# Altium PCB STB_LightBoard.PcbDoc (part 27 of 31) (continued)
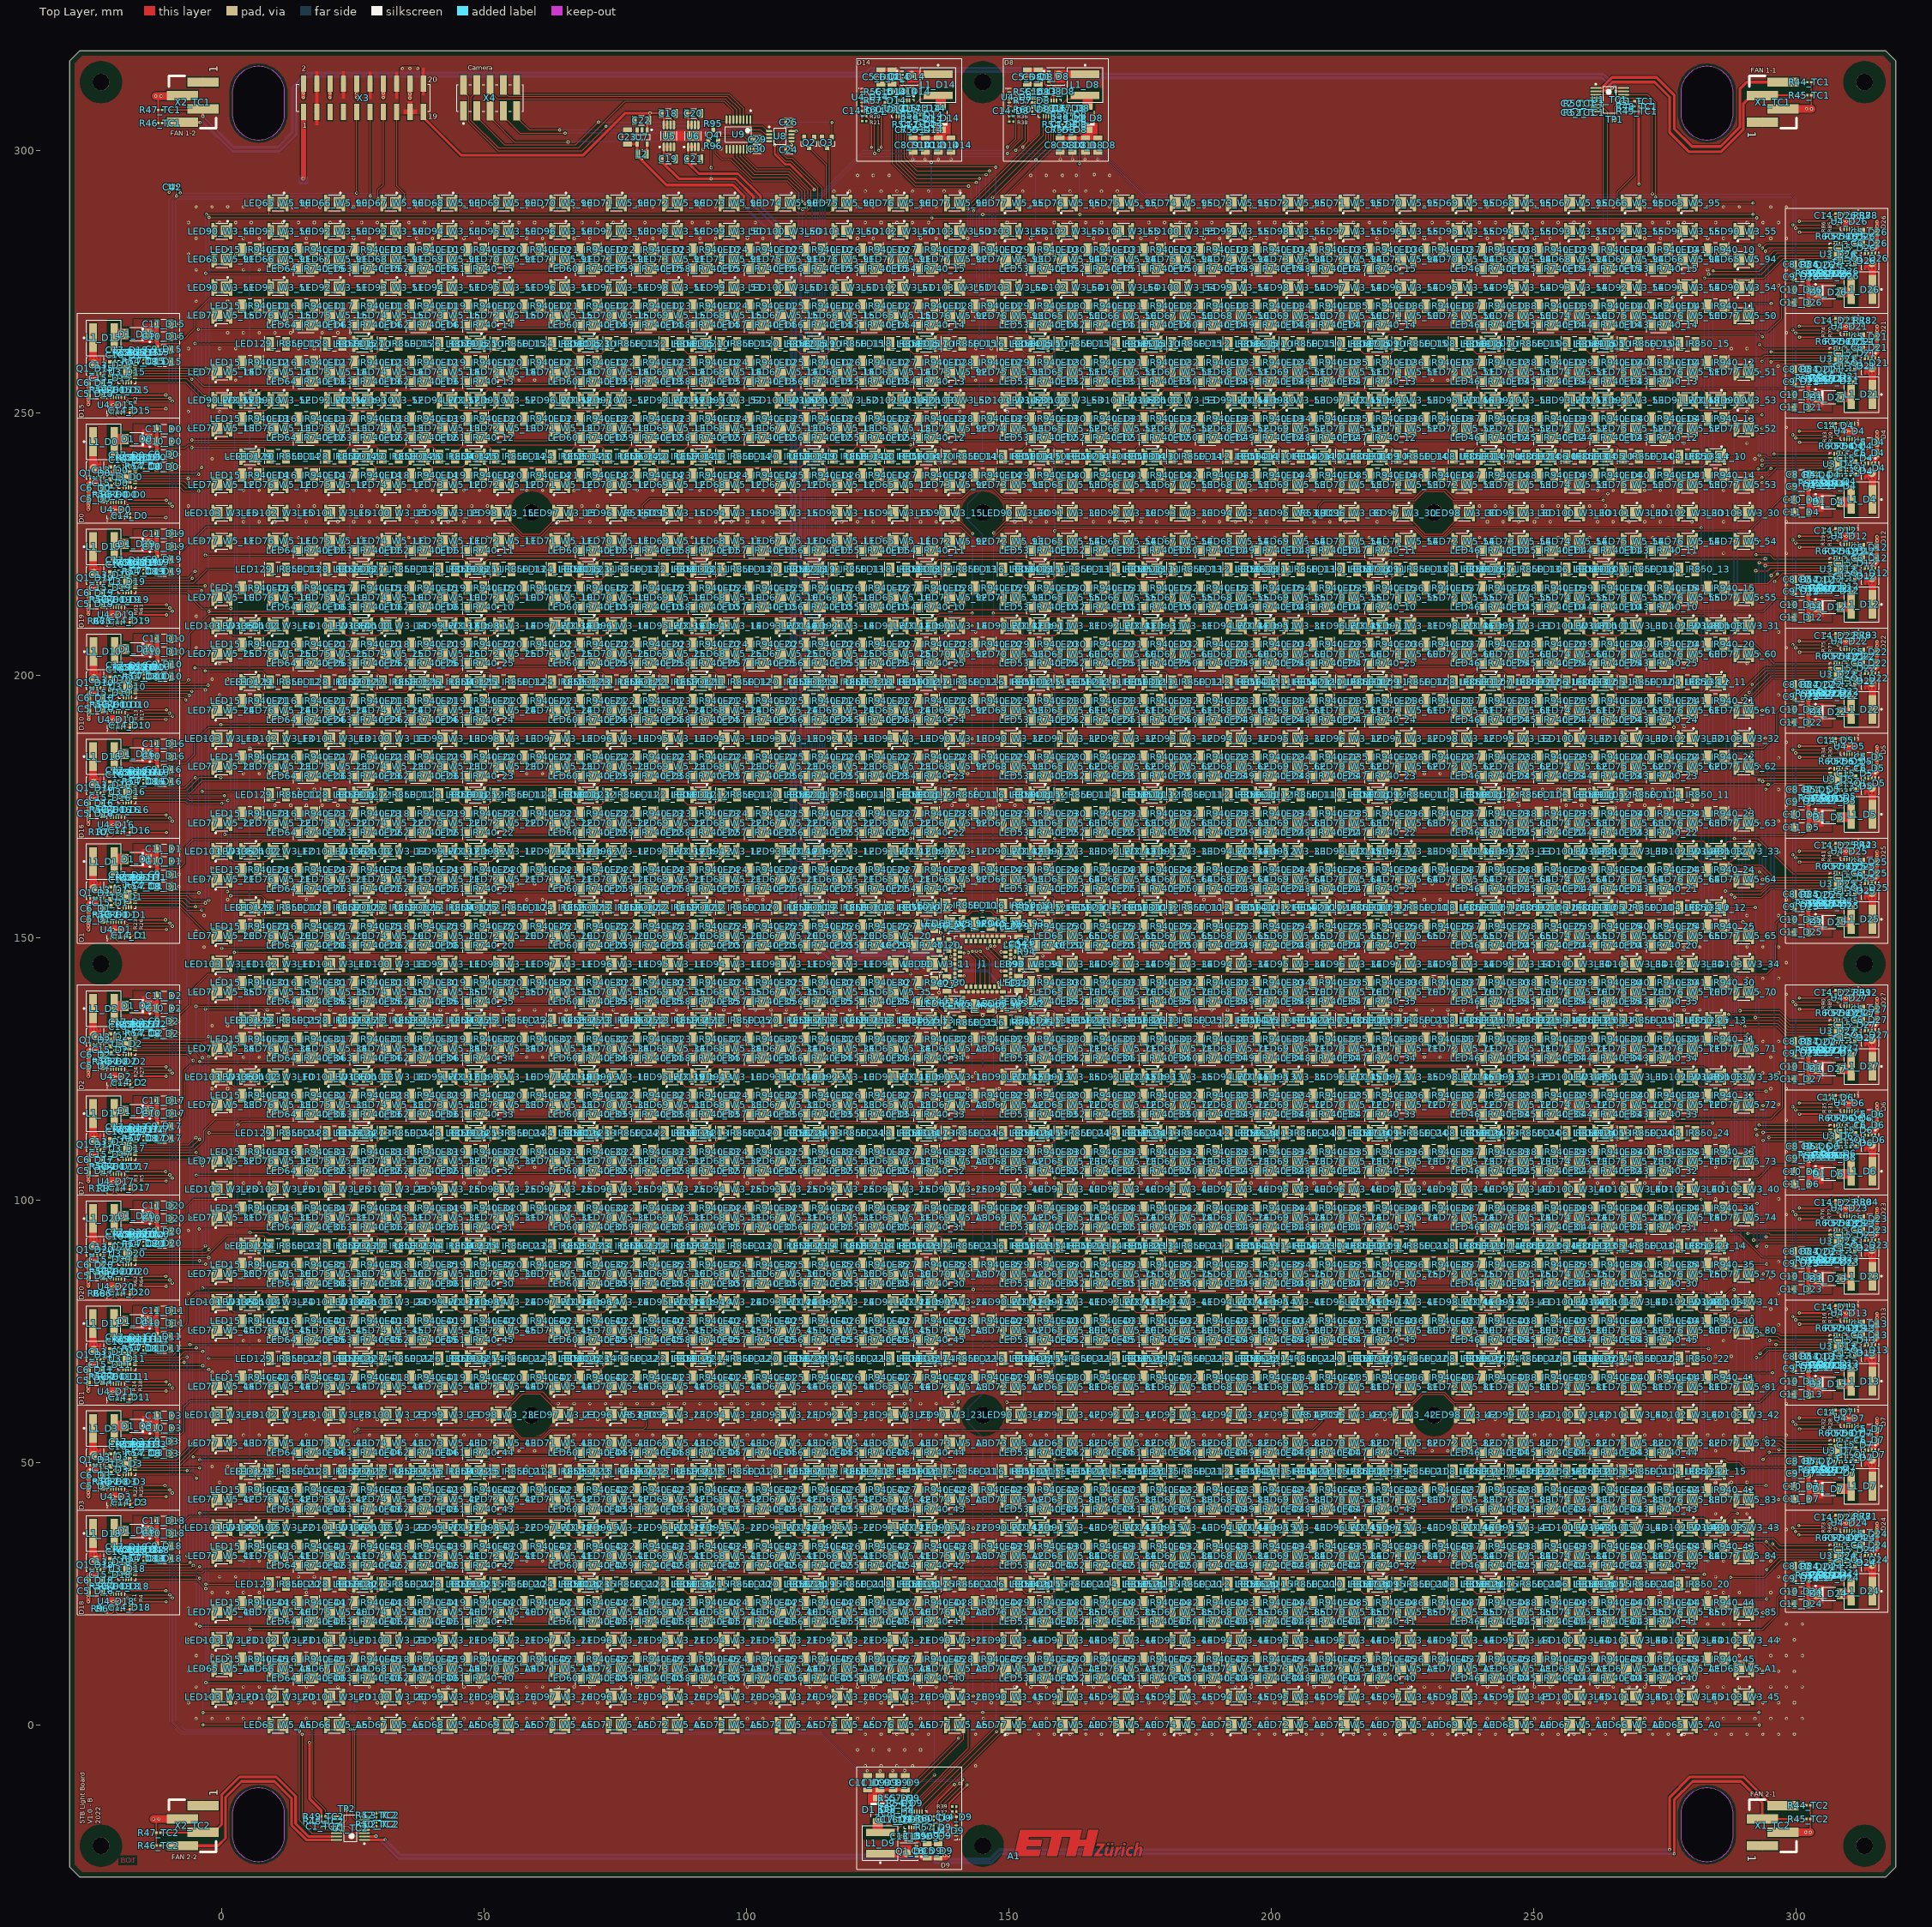
[diagram p0: Top Layer view]
## Nets (pads, with @x,y where several pads share a name; then routed paths per layer and width w, separated by ;. In a path a pad name is that pad's centre, name@x,y a point inside that pad or via, vN(x,y) a via of type N, cw(c..) or ccw(c..) an arc to the next point about the centre after c; other vN are vias at no path point) (continued)
NetLED102_W3_15_1: LED102_W3_15.1 LED103_W3_15.2 | length 8.4
  Top Layer w0.2: LED103_W3_15.2@1.7,230.91 LED102_W3_15.1@9.041,230.91 LED102_W3_15.1@10.106,230.91
NetLED102_W3_20_1: LED102_W3_20.1 LED103_W3_20.2 | length 8.4
  Top Layer w0.2: LED103_W3_20.2@1.7,5.37 LED102_W3_20.1@9.041,5.37 LED102_W3_20.1@10.106,5.37
NetLED102_W3_21_1: LED102_W3_21.1 LED103_W3_21.2 | length 8.4
  Top Layer w0.2: LED103_W3_21.2@1.7,16.11 LED102_W3_21.1@9.041,16.11 LED102_W3_21.1@10.106,16.11
NetLED102_W3_22_1: LED102_W3_22.1 LED103_W3_22.2 | length 9.1
  Top Layer w0.2: LED103_W3_22.2@1.7,36.315 2.295,35.72 8.446,35.72 8.841,36.115 9.041,36.315 LED102_W3_22.1@9.041,37.59
NetLED102_W3_23_1: LED102_W3_23.1 LED103_W3_23.2 | length 8.4
  Top Layer w0.2: LED103_W3_23.2@1.7,59.07 LED102_W3_23.1@9.041,59.07 LED102_W3_23.1@10.106,59.07
NetLED102_W3_24_1: LED102_W3_24.1 LED103_W3_24.2 | length 9.1
  Top Layer w0.2: LED103_W3_24.2@1.7,79.275 2.295,78.68 8.446,78.68 8.841,79.075 9.041,79.275 LED102_W3_24.1@9.041,80.55
NetLED102_W3_25_1: LED102_W3_25.1 LED103_W3_25.2 | length 8.4
  Top Layer w0.2: LED103_W3_25.2@1.7,102.03 LED102_W3_25.1@9.041,102.03 LED102_W3_25.1@10.106,102.03
NetLED102_W3_30_1: LED102_W3_30.1 LED103_W3_30.2 | length 18
  Top Layer w0.2: LED102_W3_30.1@279.693,230.9 280.283,230.9 287.624,230.9 288.689,230.9 280.966,230.9 LED102_W3_30.1@279.693,230.9
NetLED102_W3_31_1: LED102_W3_31.1 LED103_W3_31.2 | length 10.4
  Top Layer w0.2: LED102_W3_31.1@280.966,209.43 280.966,208.155 281.521,207.6 287.752,207.6 288.307,208.155 LED103_W3_31.2@288.307,209.43
NetLED102_W3_32_1: LED102_W3_32.1 LED103_W3_32.2 | length 9
  Top Layer w0.2: LED102_W3_32.1@279.901,187.95 LED102_W3_32.1@280.966,187.95 LED103_W3_32.2@288.307,187.95 LED103_W3_32.2@288.897,187.95
NetLED102_W3_33_1: LED102_W3_33.1 LED103_W3_33.2 | length 10.5
  Top Layer w0.2: LED102_W3_33.1@280.966,166.47 280.966,165.195 281.661,164.5 287.612,164.5 288.307,165.195 LED103_W3_33.2@288.307,166.47
NetLED102_W3_34_1: LED102_W3_34.1 LED103_W3_34.2 | length 16.9
  Top Layer w0.2: LED102_W3_34.1@280.066,144.99 280.656,144.99 287.997,144.99 LED103_W3_34.2@289.062,144.99 ; LED102_W3_34.1@280.966,144.99 LED103_W3_34.2@288.307,144.99 LED103_W3_34.2@288.897,144.99
NetLED102_W3_35_1: LED102_W3_35.1 LED103_W3_35.2 | length 7.8
  Top Layer w0.2: LED102_W3_35.1@280.966,122.235 281.561,121.64 287.712,121.64 288.107,122.035 LED103_W3_35.2@288.307,122.235
NetLED102_W3_40_1: LED102_W3_40.1 LED103_W3_40.2 | length 19.1
  Top Layer w0.2: LED102_W3_40.1@279.266,102.03 279.856,102.03 287.197,102.03 ; LED102_W3_40.1@279.901,102.03 LED102_W3_40.1@280.966,102.03 LED103_W3_40.2@288.307,102.03 ; LED103_W3_40.2@288.262,102.03 287.197,102.03 ; LED103_W3_40.2@288.897,102.03 LED103_W3_40.2@288.307,102.03 ; 287.197,102.03 LED103_W3_40.2@288.307,102.03
NetLED102_W3_41_1: LED102_W3_41.1 LED103_W3_41.2 | length 7.9
  Top Layer w0.2: LED102_W3_41.1@280.966,79.275 281.641,78.6 287.592,78.6 287.692,78.7 287.732,78.7 LED103_W3_41.2@288.307,79.275
NetLED102_W3_42_1: LED102_W3_42.1 LED103_W3_42.2 | length 9.5
  Top Layer w0.2: LED102_W3_42.1@280.966,59.07 LED102_W3_42.1@279.901,59.07 LED103_W3_42.2@288.307,59.07
NetLED102_W3_43_1: LED102_W3_43.1 LED103_W3_43.2 | length 9.1
  Top Layer w0.2: LED102_W3_43.1@280.966,36.315 281.561,35.72 287.712,35.72 288.107,36.115 288.307,36.315 LED103_W3_43.2@288.307,37.59
NetLED102_W3_44_1: LED102_W3_44.1 LED103_W3_44.2 | length 8.4
  Top Layer w0.2: LED102_W3_44.1@279.901,16.11 LED102_W3_44.1@280.966,16.11 LED103_W3_44.2@288.307,16.11
NetLED102_W3_45_1: LED102_W3_45.1 LED103_W3_45.2 | length 17.4
  Top Layer w0.2: LED103_W3_45.2@288.897,5.37 LED103_W3_45.2@288.307,5.37 ; LED102_W3_45.1@280.966,5.37 LED102_W3_45.1@279.901,5.37 LED102_W3_45.1@280.966,5.37 ; LED102_W3_45.1@280.966,5.37 LED103_W3_45.2@288.307,5.37 ; LED102_W3_45.1@280.966,5.37 LED103_W3_45.2@288.307,5.37
NetLED102_W3_50_1: LED102_W3_50.1 LED103_W3_50.2 | length 18
  Top Layer w0.2: LED103_W3_50.2@137.7,284.6 130.359,284.6 129.769,284.6 LED103_W3_50.2@137.7,284.6 ; LED103_W3_50.2@137.7,284.6 138.765,284.6 LED103_W3_50.2@137.7,284.6
NetLED102_W3_51_1: LED102_W3_51.1 LED103_W3_51.2 | length 18
  Top Layer w0.2: LED102_W3_51.1@129.069,273.89 129.659,273.89 137,273.89 138.065,273.89 130.592,273.89 LED102_W3_51.1@129.069,273.89
NetLED102_W3_52_1: LED102_W3_52.1 LED103_W3_52.2 | length 11.4
  Top Layer w0.2: LED102_W3_52.1@129.527,252.39 130.516,252.39 LED102_W3_52.1@130.539,252.368 ; LED102_W3_52.1@130.592,252.39 130.592,251.115 131.207,250.5 137.318,250.5 137.933,251.115 LED103_W3_52.2@137.933,252.39
NetLED102_W3_53_1: LED102_W3_53.1 LED103_W3_53.2 | length 14
  Top Layer w0.2: LED102_W3_53.1@159.467,252.368 159.49,252.39 LED102_W3_53.1@160.48,252.39 ; LED103_W3_53.2@152.073,251.115 LED103_W3_53.2@152.074,252.39 LED103_W3_53.2@152.073,251.115 ; LED103_W3_53.2@152.073,251.115 152.688,250.5 158.799,250.5 LED102_W3_53.1@159.414,251.115 ; LED102_W3_53.1@159.414,251.115 LED102_W3_53.1@159.415,252.39 LED102_W3_53.1@159.414,251.115
NetLED102_W3_54_1: LED102_W3_54.1 LED103_W3_54.2 | length 25.2
  Top Layer w0.2: LED103_W3_54.2@151.459,273.87 152.524,273.87 LED102_W3_54.1@159.865,273.87 ; LED103_W3_54.2@152.291,273.86 159.632,273.86 160.697,273.86 LED103_W3_54.2@152.291,273.86
NetLED102_W3_55_1: LED102_W3_55.1 LED103_W3_55.2 | length 11.3
  Top Layer w0.2: LED103_W3_55.2@151.459,284.61 152.524,284.61 LED102_W3_55.1@159.865,284.61 ; LED103_W3_55.2@151.484,284.61 LED103_W3_55.2@152.074,284.61 ; LED102_W3_55.1@159.415,284.61 LED102_W3_55.1@160.48,284.61 LED102_W3_55.1@159.865,284.61 ; LED102_W3_55.1@160.455,284.61 LED102_W3_55.1@159.865,284.61
NetLED103_W3_10_1: LED103_W3_10.1 U3_D10.10 | length 88.4
  Top Layer w0.2: U3_D10.10@-17.192,195.8 -7.23,195.8 -7.23,195.758 -6.851,195.379 v1(-6.851,195.286) ; v1(-6.543,123.518) -1.708,123.518 LED103_W3_10.1@-1.7,123.51 LED103_W3_10.1@-0.635,123.51
  Bottom Layer w0.2: v1(-6.851,195.286) -6.851,195.247 -6.57,194.967 -6.57,123.545 v1(-6.543,123.518)
NetLED103_W3_11_1: LED103_W3_11.1 U3_D10.11 | length 66.9
  Top Layer w0.2: U3_D10.11@-16.442,196.55 -6.629,196.55 -6.207,196.128 v1(-6.199,196.128) ; v1(-5.863,145.007) -1.717,145.007 LED103_W3_11.1@-1.7,144.99 LED103_W3_11.1@-0.635,144.99
  Bottom Layer w0.2: v1(-6.199,196.128) -6.167,196.097 -6.167,145.326 -5.863,145.022 v1(-5.863,145.007)
NetLED103_W3_12_1: LED103_W3_12.1 U3_D10.12 | length 46.4
  Top Layer w0.2: U3_D10.12@-16.442,197.05 -5.909,197.05 -5.791,196.933 v1(-5.682,196.933) ; v1(-5.588,166.4) -1.77,166.4 LED103_W3_12.1@-1.7,166.47 LED103_W3_12.1@-0.635,166.47
  Bottom Layer w0.2: v1(-5.682,196.933) -5.605,196.855 -5.605,196.651 -5.567,196.614 -5.567,166.421 v1(-5.588,166.4)
NetLED103_W3_13_1: LED103_W3_13.1 U3_D10.13 | length 25.3
  Top Layer w0.2: U3_D10.13@-16.442,197.55 -3.559,197.55 -3.209,197.2 v1(-3.1,197.2) ; v1(-3.15,187.95) LED103_W3_13.1@-1.7,187.95 LED103_W3_13.1@-0.635,187.95
  Bottom Layer w0.2: v1(-3.15,187.95) -3.125,187.975 -3.125,197.175 v1(-3.1,197.2)
NetLED103_W3_14_1: LED103_W3_14.1 U3_D10.14 | length 27.1
  Top Layer w0.2: U3_D10.14@-16.442,198.05 -16.423,198.069 -2.631,198.069 v1(-2.6,198.1) ; v1(-2.47,209.43) LED103_W3_14.1@-1.7,209.43 LED103_W3_14.1@-0.635,209.43
  Bottom Layer w0.2: v1(-2.6,198.1) -2.535,198.165 -2.535,209.365 v1(-2.47,209.43)
NetLED103_W3_15_1: LED103_W3_15.1 U3_D10.15 | length 47.9
  Top Layer w0.2: U3_D10.15@-16.442,198.55 -6.85,198.55 v1(-6.3,199.1) ; v1(-6.31,230.91) LED103_W3_15.1@-1.7,230.91 LED103_W3_15.1@-0.635,230.91
  Bottom Layer w0.2: v1(-6.31,230.91) -6.305,230.905 -6.305,199.105 v1(-6.3,199.1)
NetLED103_W3_20_1: LED103_W3_20.1 U3_D11.10 | length 80
  Top Layer w0.2: U3_D11.10@-17.292,67.8 -17.266,67.774 -2.474,67.774 v1(-2.448,67.749) ; LED103_W3_20.1@-0.635,5.37 LED103_W3_20.1@-1.7,5.37 ; v1(-2.43,5.37) ccw(c-2.43,5.3) -2.5,5.3 cw(c-2.43,5.3) v1(-2.43,5.37) ; v1(-2.43,5.37) LED103_W3_20.1@-1.7,5.37 ; v1(-2.43,5.37) LED103_W3_20.1@-1.7,5.37
  Bottom Layer w0.2: v1(-2.448,67.749) -2.477,67.72 -2.477,67.202 -2.479,67.2 -2.479,5.419 v1(-2.43,5.37)
NetLED103_W3_21_1: LED103_W3_21.1 U3_D11.11 | length 68
  Top Layer w0.2: U3_D11.11@-16.542,68.55 -16.523,68.531 -3.679,68.531 v1(-3.616,68.467) ; v1(-3.61,16.11) LED103_W3_21.1@-1.7,16.11 LED103_W3_21.1@-0.635,16.11
  Bottom Layer w0.2: v1(-3.61,16.11) v1@-3.61,68.21
NetLED103_W3_22_1: LED103_W3_22.1 U3_D11.12 | length 47.5
  Top Layer w0.2: U3_D11.12@-16.542,69.05 -7.198,69.05 v1(-7.148,69.099) ; v1(-7.21,37.59) LED103_W3_22.1@-1.7,37.59 LED103_W3_22.1@-0.635,37.59
  Bottom Layer w0.2: v1(-7.21,37.59) -7.133,37.667 -7.133,37.904 -7.128,37.909 -7.128,69.079 v1(-7.148,69.099)
NetLED103_W3_23_1: LED103_W3_23.1 U3_D11.13 | length 27.1
  Top Layer w0.2: U3_D11.13@-16.542,69.55 -7.95,69.55 -7.4,70.1 v1(-6.6,70.1) ; v1(-6.574,59.138) -1.768,59.138 LED103_W3_23.1@-1.7,59.07 LED103_W3_23.1@-0.635,59.07
  Bottom Layer w0.2: v1(-6.6,70.1) -6.587,70.087 -6.587,59.151 v1(-6.574,59.138)
NetLED103_W3_24_1: LED103_W3_24.1 U3_D11.14 | length 25.8
  Top Layer w0.2: U3_D11.14@-16.542,70.05 -8.25,70.05 -7.1,71.2 v1(-3.6,71.2) ; v1(-3.6,80.6) -1.75,80.6 LED103_W3_24.1@-1.7,80.55 LED103_W3_24.1@-0.635,80.55
  Bottom Layer w0.2: v1(-3.6,71.2) v1(-3.6,80.6)
NetLED103_W3_25_1: LED103_W3_25.1 U3_D11.15 | length 50.8
  Top Layer w0.2: U3_D11.15@-16.542,70.55 -9.216,70.55 -7.998,71.768 -4.881,71.768 v1(-4.813,71.836) ; LED103_W3_25.1@-0.635,102.03 LED103_W3_25.1@-0.738,101.927 ; LED103_W3_25.1@-0.738,101.927 -1.7,101.927 v1(-4.851,101.927) LED103_W3_25.1@-0.738,101.927
  Bottom Layer w0.2: v1(-4.851,101.927) -4.85,101.926 -4.85,101.657 -4.899,101.608 -4.899,72.071 -4.89,72.062 -4.89,71.913 v1(-4.813,71.836)
NetLED103_W3_30_1: LED103_W3_30.1 U3_D12.10 | length 24.8
  Top Layer w0.2: LED103_W3_30.1@290.642,230.91 LED103_W3_30.1@291.707,230.91 291.717,230.9 v1(292.3,230.9) ; v1(292.318,222.988) 294.912,222.988 295.7,222.2 U3_D12.10@307.25,222.2
  Bottom Layer w0.2: v1(292.3,230.9) 292.309,230.891 292.309,222.997 v1(292.318,222.988)
NetLED103_W3_31_1: LED103_W3_31.1 U3_D12.11 | length 30.2
  Top Layer w0.2: LED103_W3_31.1@290.642,209.43 LED103_W3_31.1@290.658,209.446 ; v1(292.946,221.45) U3_D12.11@306.5,221.45 ; LED103_W3_31.1@290.658,209.446 v1(292.946,209.446) LED103_W3_31.1@290.658,209.446
  Bottom Layer w0.2: v1(292.946,209.446) v1(292.946,221.45)
NetLED103_W3_32_1: LED103_W3_32.1 U3_D12.12 | length 52.2
  Top Layer w0.2: LED103_W3_32.1@290.642,187.95 LED103_W3_32.1@290.692,188 ; v1(294.08,220.896) 294.115,220.931 306.481,220.931 U3_D12.12@306.5,220.95 ; LED103_W3_32.1@290.692,188 v1(294.08,188) LED103_W3_32.1@290.692,188
  Bottom Layer w0.2: v1(294.08,188) v1(294.08,220.896)
NetLED103_W3_33_1: LED103_W3_33.1 U3_D12.13 | length 70.1
  Top Layer w0.2: LED103_W3_33.1@290.642,166.47 LED103_W3_33.1@291.707,166.47 ; v1(292.3,219.9) 294.6,219.9 295.15,220.45 U3_D12.13@306.5,220.45 ; LED103_W3_33.1@291.707,166.47 292.3,166.47 LED103_W3_33.1@291.707,166.47
  Bottom Layer w0.2: v1(292.3,166.508) v1(292.3,219.9)
NetLED103_W3_34_1: LED103_W3_34.1 U3_D12.14 | length 90.4
  Top Layer w0.2: LED103_W3_34.1@290.642,144.99 LED103_W3_34.1@291.707,144.99 291.797,144.9 v1(295.2,144.9) ; v1(295.231,219.024) 296.149,219.941 U3_D12.14@306.491,219.941
  Bottom Layer w0.2: v1(295.2,144.9) 295.231,144.931 v1(295.231,219.024)
NetLED103_W3_35_1: LED103_W3_35.1 U3_D12.15 | length 110.8
  Top Layer w0.2: LED103_W3_35.1@290.642,123.51 LED103_W3_35.1@291.707,123.51 291.717,123.5 v1(295.8,123.5) ; v1(295.875,217.816) 297.509,219.45 U3_D12.15@306.5,219.45
  Bottom Layer w0.2: v1(295.8,123.5) 295.837,123.537 295.837,217.778 v1(295.875,217.816)
NetLED103_W3_40_1: LED103_W3_40.1 U3_D13.10 | length 44.3
  Top Layer w0.2: LED103_W3_40.1@290.642,102.03 LED103_W3_40.1@291.707,102.03 291.737,102 v1(293.166,102) ; v1(293.104,74.6) 296.6,74.6 297,74.2 U3_D13.10@307.25,74.2
  Bottom Layer w0.2: v1(293.104,74.6) 293.104,86.087 293.2,86.183 293.2,101.966 v1(293.166,102)
NetLED103_W3_41_1: LED103_W3_41.1 U3_D13.11 | length 22.6
  Top Layer w0.2: LED103_W3_41.1@290.642,80.55 LED103_W3_41.1@291.707,80.55 291.757,80.5 v1(292.55,80.5) ; v1(292.565,74.065) 292.585,74.046 296.402,74.046 296.998,73.45 U3_D13.11@306.5,73.45
  Bottom Layer w0.2: v1(292.55,80.5) 292.55,74.081 v1(292.565,74.065)
NetLED103_W3_42_1: LED103_W3_42.1 U3_D13.12 | length 30.2
  Top Layer w0.2: LED103_W3_42.1@290.642,59.07 LED103_W3_42.1@291.707,59.07 294.91,59.07 v1(294.94,59.1) ; v1(294.928,73.285) 294.943,73.3 296.4,73.3 296.75,72.95 U3_D13.12@306.5,72.95
  Bottom Layer w0.2: v1(294.928,73.285) 294.928,63.286 294.94,63.273 v1(294.94,59.1)
NetLED103_W3_43_1: LED103_W3_43.1 U3_D13.13 | length 50.8
  Top Layer w0.2: LED103_W3_43.1@290.642,37.59 LED103_W3_43.1@291.707,37.59 v1(296.09,37.59) ; v1(296.15,72.498) 296.179,72.469 306.481,72.469 U3_D13.13@306.5,72.45
  Bottom Layer w0.2: v1(296.09,37.59) 296.106,37.606 296.106,72.454 v1(296.15,72.498)
NetLED103_W3_44_1: LED103_W3_44.1 U3_D13.14 | length 125.7
  Top Layer w0.2: LED103_W3_44.1@290.642,16.11 LED103_W3_44.1@291.707,16.11 v1(293.09,16.11) ; v1(293.1,70.8) 294.244,71.944 300.221,71.944 300.227,71.95 U3_D13.14@306.5,71.95
  Bottom Layer w0.2: v1(293.09,16.11) 293.09,70.8 v1(293.09,16.11)
NetLED103_W3_45_1: LED103_W3_45.1 U3_D13.15 | length 81.1
  Top Layer w0.2: LED103_W3_45.1@290.642,5.37 v1(292.406,5.37) ; v1(292.4,70) 293.326,70 294.776,71.45 U3_D13.15@306.5,71.45
  Bottom Layer w0.2: v1@292.4,69.97 292.4,10.517 292.43,10.487 292.43,5.394 v1(292.406,5.37)
NetLED103_W3_50_1: LED103_W3_50.1 U3_D14.10 | length 38
  Top Layer w0.2: U3_D14.10@127.8,307.25 127.8,297.509 132.109,293.2 v1(142.3,293.2) ; LED103_W3_50.1@140.268,284.61 LED103_W3_50.1@141.333,284.61 141.343,284.6 v1(142.4,284.6) ; LED103_W3_50.1@140.51,284.6 141.1,284.6 141.23,284.73 LED103_W3_50.1@141.11,284.61
  Bottom Layer w0.2: v1(142.3,293.2) 142.3,293.181 142.716,292.765 142.716,288.668 142.684,288.636 142.684,284.919 142.4,284.635 v1(142.4,284.6)
NetLED103_W3_51_1: LED103_W3_51.1 U3_D14.11 | length 48.2
  Top Layer w0.2: U3_D14.11@128.55,306.5 128.55,297.563 132.251,293.862 143.74,293.862 v1(143.763,293.885) ; LED103_W3_51.1@140.268,273.87 LED103_W3_51.1@141.333,273.87 v1(141.97,273.87)
  Bottom Layer w0.2: v1(141.97,273.87) 143.8,275.7 143.8,293.848 v1(143.763,293.885)
NetLED103_W3_52_1: LED103_W3_52.1 U3_D14.12 | length 70.3
  Top Layer w0.2: U3_D14.12@129.05,306.5 129.05,297.851 132.264,294.636 v1(144.37,294.636) ; LED103_W3_52.1@140.268,252.39 LED103_W3_52.1@141.333,252.39 v1(141.99,252.39)
  Bottom Layer w0.2: v1(141.99,252.39) 144.4,254.8 144.4,294.606 v1(144.37,294.636)
NetLED103_W3_53_1: LED103_W3_53.1 U3_D14.13 | length 70.2
  Top Layer w0.2: U3_D14.13@129.55,306.5 129.55,298.155 132.31,295.395 145.644,295.395 v1(145.665,295.374) ; v1(148.01,252.39) LED103_W3_53.1@148.674,252.39
  Bottom Layer w0.2: v1(145.665,295.374) 145.65,295.358 145.65,254.75 v1(148.01,252.39)
NetLED103_W3_54_1: LED103_W3_54.1 U3_D14.14 | length 49.9
  Top Layer w0.2: U3_D14.14@130.05,306.5 130.05,298.477 132.427,296.1 v1(146.3,296.1) ; v1(148.03,273.87) LED103_W3_54.1@148.674,273.87 LED103_W3_54.1@149.739,273.87
  Bottom Layer w0.2: v1(146.3,296.1) 146.282,296.082 146.282,275.618 v1(148.03,273.87)
NetLED103_W3_55_1: LED103_W3_55.1 U3_D14.15 | length 41.3
  Top Layer w0.2: U3_D14.15@130.55,306.5 130.55,298.676 132.336,296.89 147.181,296.89 147.193,296.877 147.423,296.877 v1(147.5,296.8) ; v1(147.5,284.7) 148.584,284.7 LED103_W3_55.1@148.674,284.61 LED103_W3_55.1@149.739,284.61 LED103_W3_55.1@149.124,284.61 ; LED103_W3_55.1@148.994,284.48 LED103_W3_55.1@149.124,284.61 ; LED103_W3_55.1@149.714,284.61 LED103_W3_55.1@149.124,284.61
  Bottom Layer w0.2: v1(147.5,284.7) v1(147.5,296.8)
NetLED104_IR850_10_1: LED104_IR850_10.1 LED105_IR850_10.2 | length 7.7
  Top Layer w0.2: LED105_IR850_10.2@270.025,155.744 LED104_IR850_10.1@277.766,155.744
NetLED104_IR850_11_1: LED104_IR850_11.1 LED105_IR850_11.2 | length 7.7
  Top Layer w0.2: LED105_IR850_11.2@270.025,177.226 LED104_IR850_11.1@277.766,177.226
NetLED104_IR850_12_1: LED104_IR850_12.1 LED105_IR850_12.2 | length 7.7
  Top Layer w0.2: LED105_IR850_12.2@270.025,198.708 LED104_IR850_12.1@277.766,198.708
NetLED104_IR850_13_1: LED104_IR850_13.1 LED105_IR850_13.2 | length 7.7
  Top Layer w0.2: LED105_IR850_13.2@270.025,220.19 LED104_IR850_13.1@277.766,220.19
NetLED104_IR850_14_1: LED104_IR850_14.1 LED105_IR850_14.2 | length 7.7
  Top Layer w0.2: LED105_IR850_14.2@270.025,241.672 LED104_IR850_14.1@277.766,241.672
NetLED104_IR850_15_1: LED104_IR850_15.1 LED105_IR850_15.2 | length 7.7
  Top Layer w0.2: LED105_IR850_15.2@270.025,263.154 LED104_IR850_15.1@277.766,263.154
NetLED104_IR850_20_1: LED104_IR850_20.1 LED105_IR850_20.2 | length 7.7
  Top Layer w0.2: LED105_IR850_20.2@270.025,26.852 LED104_IR850_20.1@277.766,26.852
NetLED104_IR850_21_1: LED104_IR850_21.1 LED105_IR850_21.2 | length 7.7
  Top Layer w0.2: LED105_IR850_21.2@270.025,48.334 LED104_IR850_21.1@277.766,48.334
NetLED104_IR850_22_1: LED104_IR850_22.1 LED105_IR850_22.2 | length 7.7
  Top Layer w0.2: LED105_IR850_22.2@270.025,69.816 LED104_IR850_22.1@277.766,69.816
NetLED104_IR850_23_1: LED104_IR850_23.1 LED105_IR850_23.2 | length 7.7
  Top Layer w0.2: LED105_IR850_23.2@270.025,91.298 LED104_IR850_23.1@277.766,91.298
NetLED104_IR850_24_1: LED104_IR850_24.1 LED105_IR850_24.2 | length 7.7
  Top Layer w0.2: LED105_IR850_24.2@270.025,112.78 LED104_IR850_24.1@277.766,112.78
NetLED104_IR850_25_1: LED104_IR850_25.1 LED105_IR850_25.2 | length 7.7
  Top Layer w0.2: LED105_IR850_25.2@270.025,134.262 LED104_IR850_25.1@277.766,134.262
NetLED105_IR850_10_1: LED105_IR850_10.1 LED106_IR850_10.2 | length 9.4
  Top Layer w0.2: LED106_IR850_10.2@259.307,156.306 260.28,157.279 260.28,157.287 260.603,157.61 265.744,157.61 267.048,156.306 LED105_IR850_10.1@267.048,155.756
NetLED105_IR850_11_1: LED105_IR850_11.1 LED106_IR850_11.2 | length 10.1
  Top Layer w0.2: LED106_IR850_11.2@259.284,177.226 259.284,176.676 260.752,175.208 265.557,175.208 267.025,176.676 LED105_IR850_11.1@267.025,177.226
NetLED105_IR850_12_1: LED105_IR850_12.1 LED106_IR850_12.2 | length 9.4
  Top Layer w0.2: LED106_IR850_12.2@259.307,199.27 260.28,200.243 260.28,200.251 260.603,200.574 265.744,200.574 267.048,199.27 LED105_IR850_12.1@267.048,198.72
NetLED105_IR850_13_1: LED105_IR850_13.1 LED106_IR850_13.2 | length 9.9
  Top Layer w0.2: LED106_IR850_13.2@259.284,220.19 259.284,219.64 260.581,218.343 265.728,218.343 267.025,219.64 LED105_IR850_13.1@267.025,220.19
NetLED105_IR850_14_1: LED105_IR850_14.1 LED106_IR850_14.2 | length 9.4
  Top Layer w0.2: LED106_IR850_14.2@259.307,242.234 260.28,243.207 260.28,243.215 260.603,243.538 265.744,243.538 267.048,242.234 LED105_IR850_14.1@267.048,241.684
NetLED105_IR850_15_1: LED105_IR850_15.1 LED106_IR850_15.2 | length 9.9
  Top Layer w0.2: LED106_IR850_15.2@259.284,263.154 259.284,262.604 260.61,261.279 265.656,261.279 266.332,261.954 266.375,261.954 266.375,262.504 LED105_IR850_15.1@267.025,263.154
NetLED105_IR850_20_1: LED105_IR850_20.1 LED106_IR850_20.2 | length 9.9
  Top Layer w0.2: LED106_IR850_20.2@259.284,26.852 259.284,26.302 260.61,24.976 265.656,24.976 266.332,25.652 266.375,25.652 266.375,26.202 LED105_IR850_20.1@267.025,26.852
NetLED105_IR850_21_1: LED105_IR850_21.1 LED106_IR850_21.2 | length 9.3
  Top Layer w0.2: LED106_IR850_21.2@259.307,48.896 259.307,48.907 260.557,50.157 265.752,50.157 267.048,48.861 LED105_IR850_21.1@267.048,48.346
NetLED105_IR850_22_1: LED105_IR850_22.1 LED106_IR850_22.2 | length 9.9
  Top Layer w0.2: LED106_IR850_22.2@259.284,69.816 259.284,69.266 260.61,67.94 265.656,67.94 266.332,68.616 266.375,68.616 266.375,69.166 LED105_IR850_22.1@267.025,69.816
NetLED105_IR850_23_1: LED105_IR850_23.1 LED106_IR850_23.2 | length 9.4
  Top Layer w0.2: LED106_IR850_23.2@259.307,91.86 260.28,92.833 260.28,92.841 260.603,93.164 265.744,93.164 267.048,91.86 LED105_IR850_23.1@267.048,91.31
NetLED105_IR850_24_1: LED105_IR850_24.1 LED106_IR850_24.2 | length 9.9
  Top Layer w0.2: LED106_IR850_24.2@259.284,112.78 259.284,112.23 260.61,110.904 265.656,110.904 266.332,111.58 266.375,111.58 266.375,112.13 LED105_IR850_24.1@267.025,112.78
NetLED105_IR850_25_1: LED105_IR850_25.1 LED106_IR850_25.2 | length 9.4
  Top Layer w0.2: LED106_IR850_25.2@259.307,134.824 260.28,135.797 260.28,135.805 260.603,136.128 265.744,136.128 267.048,134.824 LED105_IR850_25.1@267.048,134.274
NetLED106_IR850_10_1: LED106_IR850_10.1 LED107_IR850_10.2 | length 9.4
  Top Layer w0.2: LED107_IR850_10.2@248.543,156.294 249.516,157.267 249.516,157.275 249.839,157.598 254.98,157.598 256.284,156.294 LED106_IR850_10.1@256.284,155.744
NetLED106_IR850_11_1: LED106_IR850_11.1 LED107_IR850_11.2 | length 7.7
  Top Layer w0.2: LED107_IR850_11.2@248.543,177.226 LED106_IR850_11.1@256.284,177.226
NetLED106_IR850_12_1: LED106_IR850_12.1 LED107_IR850_12.2 | length 9.4
  Top Layer w0.2: LED107_IR850_12.2@248.543,199.258 249.516,200.231 249.516,200.239 249.839,200.562 254.98,200.562 256.284,199.258 LED106_IR850_12.1@256.284,198.708
NetLED106_IR850_13_1: LED106_IR850_13.1 LED107_IR850_13.2 | length 7.7
  Top Layer w0.2: LED107_IR850_13.2@248.543,220.19 LED106_IR850_13.1@256.284,220.19
NetLED106_IR850_14_1: LED106_IR850_14.1 LED107_IR850_14.2 | length 9.4
  Top Layer w0.2: LED107_IR850_14.2@248.543,242.222 249.516,243.195 249.516,243.203 249.839,243.526 254.98,243.526 256.284,242.222 LED106_IR850_14.1@256.284,241.672
NetLED106_IR850_15_1: LED106_IR850_15.1 LED107_IR850_15.2 | length 7.7
  Top Layer w0.2: LED107_IR850_15.2@248.543,263.154 LED106_IR850_15.1@256.284,263.154
NetLED106_IR850_20_1: LED106_IR850_20.1 LED107_IR850_20.2 | length 7.7
  Top Layer w0.2: LED107_IR850_20.2@248.543,26.852 LED106_IR850_20.1@256.284,26.852
NetLED106_IR850_21_1: LED106_IR850_21.1 LED107_IR850_21.2 | length 9.4
  Top Layer w0.2: LED107_IR850_21.2@248.543,48.884 249.516,49.857 249.516,49.865 249.839,50.188 254.98,50.188 256.284,48.884 LED106_IR850_21.1@256.284,48.334
NetLED106_IR850_22_1: LED106_IR850_22.1 LED107_IR850_22.2 | length 7.7
  Top Layer w0.2: LED107_IR850_22.2@248.543,69.816 LED106_IR850_22.1@256.284,69.816
NetLED106_IR850_23_1: LED106_IR850_23.1 LED107_IR850_23.2 | length 9.4
  Top Layer w0.2: LED107_IR850_23.2@248.543,91.848 249.516,92.821 249.516,92.829 249.839,93.152 254.98,93.152 256.284,91.848 LED106_IR850_23.1@256.284,91.298
NetLED106_IR850_24_1: LED106_IR850_24.1 LED107_IR850_24.2 | length 7.7
  Top Layer w0.2: LED107_IR850_24.2@248.543,112.78 LED106_IR850_24.1@256.284,112.78
NetLED106_IR850_25_1: LED106_IR850_25.1 LED107_IR850_25.2 | length 9.4
  Top Layer w0.2: LED107_IR850_25.2@248.543,134.812 249.516,135.785 249.516,135.793 249.839,136.116 254.98,136.116 256.284,134.812 LED106_IR850_25.1@256.284,134.262
NetLED107_IR850_10_1: LED107_IR850_10.1 LED108_IR850_10.2 | length 9.4
  Top Layer w0.2: LED108_IR850_10.2@237.802,156.294 238.775,157.267 238.775,157.275 239.098,157.598 244.239,157.598 245.543,156.294 LED107_IR850_10.1@245.543,155.744
NetLED107_IR850_11_1: LED107_IR850_11.1 LED108_IR850_11.2 | length 8.8
  Top Layer w0.2: LED108_IR850_11.2@237.802,176.676 239.132,175.346 244.213,175.346 LED107_IR850_11.1@245.543,176.676
NetLED107_IR850_12_1: LED107_IR850_12.1 LED108_IR850_12.2 | length 9.4
  Top Layer w0.2: LED108_IR850_12.2@237.802,199.258 238.775,200.231 238.775,200.239 239.098,200.562 244.239,200.562 245.543,199.258 LED107_IR850_12.1@245.543,198.708
NetLED107_IR850_13_1: LED107_IR850_13.1 LED108_IR850_13.2 | length 9.9
  Top Layer w0.2: LED108_IR850_13.2@237.802,220.19 237.802,219.64 239.099,218.343 244.246,218.343 245.543,219.64 LED107_IR850_13.1@245.543,220.19
NetLED107_IR850_14_1: LED107_IR850_14.1 LED108_IR850_14.2 | length 9.4
  Top Layer w0.2: LED108_IR850_14.2@237.802,242.222 238.775,243.195 238.775,243.203 239.098,243.526 244.239,243.526 245.543,242.222 LED107_IR850_14.1@245.543,241.672
NetLED107_IR850_15_1: LED107_IR850_15.1 LED108_IR850_15.2 | length 8.8
  Top Layer w0.2: LED108_IR850_15.2@237.802,262.604 239.106,261.3 244.239,261.3 LED107_IR850_15.1@245.543,262.604
NetLED107_IR850_20_1: LED107_IR850_20.1 LED108_IR850_20.2 | length 8.8
  Top Layer w0.2: LED108_IR850_20.2@237.802,26.302 239.106,24.998 244.239,24.998 LED107_IR850_20.1@245.543,26.302
NetLED107_IR850_21_1: LED107_IR850_21.1 LED108_IR850_21.2 | length 9.4
  Top Layer w0.2: LED108_IR850_21.2@237.802,48.884 238.775,49.857 238.775,49.865 239.098,50.188 244.239,50.188 245.543,48.884 LED107_IR850_21.1@245.543,48.334
NetLED107_IR850_22_1: LED107_IR850_22.1 LED108_IR850_22.2 | length 8.8
  Top Layer w0.2: LED108_IR850_22.2@237.802,69.266 239.106,67.962 244.239,67.962 LED107_IR850_22.1@245.543,69.266
NetLED107_IR850_23_1: LED107_IR850_23.1 LED108_IR850_23.2 | length 9.4
  Top Layer w0.2: LED108_IR850_23.2@237.802,91.848 238.775,92.821 238.775,92.829 239.098,93.152 244.239,93.152 245.543,91.848 LED107_IR850_23.1@245.543,91.298
NetLED107_IR850_24_1: LED107_IR850_24.1 LED108_IR850_24.2 | length 8.8
  Top Layer w0.2: LED108_IR850_24.2@237.802,112.23 239.106,110.926 244.239,110.926 LED107_IR850_24.1@245.543,112.23
NetLED107_IR850_25_1: LED107_IR850_25.1 LED108_IR850_25.2 | length 9.4
  Top Layer w0.2: LED108_IR850_25.2@237.802,134.812 238.775,135.785 238.775,135.793 239.098,136.116 244.239,136.116 245.543,134.812 LED107_IR850_25.1@245.543,134.262
NetLED108_IR850_10_1: LED108_IR850_10.1 LED109_IR850_10.2 | length 7.7
  Top Layer w0.2: LED109_IR850_10.2@227.061,155.744 LED108_IR850_10.1@234.802,155.744
NetLED108_IR850_11_1: LED108_IR850_11.1 LED109_IR850_11.2 | length 7.7
  Top Layer w0.2: LED109_IR850_11.2@227.061,177.226 LED108_IR850_11.1@234.802,177.226
NetLED108_IR850_12_1: LED108_IR850_12.1 LED109_IR850_12.2 | length 7.7
  Top Layer w0.2: LED109_IR850_12.2@227.061,198.708 LED108_IR850_12.1@234.802,198.708
NetLED108_IR850_13_1: LED108_IR850_13.1 LED109_IR850_13.2 | length 7.7
  Top Layer w0.2: LED109_IR850_13.2@227.061,220.19 LED108_IR850_13.1@234.802,220.19
NetLED108_IR850_14_1: LED108_IR850_14.1 LED109_IR850_14.2 | length 7.7
  Top Layer w0.2: LED109_IR850_14.2@227.061,241.672 LED108_IR850_14.1@234.802,241.672
NetLED108_IR850_15_1: LED108_IR850_15.1 LED109_IR850_15.2 | length 7.7
  Top Layer w0.2: LED109_IR850_15.2@227.061,263.154 LED108_IR850_15.1@234.802,263.154
NetLED108_IR850_20_1: LED108_IR850_20.1 LED109_IR850_20.2 | length 7.7
  Top Layer w0.2: LED109_IR850_20.2@227.061,26.852 LED108_IR850_20.1@234.802,26.852
NetLED108_IR850_21_1: LED108_IR850_21.1 LED109_IR850_21.2 | length 7.7
  Top Layer w0.2: LED109_IR850_21.2@227.061,48.334 LED108_IR850_21.1@234.802,48.334
NetLED108_IR850_22_1: LED108_IR850_22.1 LED109_IR850_22.2 | length 7.7
  Top Layer w0.2: LED109_IR850_22.2@227.061,69.816 LED108_IR850_22.1@234.802,69.816
NetLED108_IR850_23_1: LED108_IR850_23.1 LED109_IR850_23.2 | length 7.7
  Top Layer w0.2: LED109_IR850_23.2@227.061,91.298 LED108_IR850_23.1@234.802,91.298
NetLED108_IR850_24_1: LED108_IR850_24.1 LED109_IR850_24.2 | length 7.7
  Top Layer w0.2: LED109_IR850_24.2@227.061,112.78 LED108_IR850_24.1@234.802,112.78
NetLED108_IR850_25_1: LED108_IR850_25.1 LED109_IR850_25.2 | length 7.7
  Top Layer w0.2: LED109_IR850_25.2@227.061,134.262 LED108_IR850_25.1@234.802,134.262
NetLED109_IR850_10_1: LED109_IR850_10.1 LED110_IR850_10.2 | length 9.4
  Top Layer w0.2: LED110_IR850_10.2@216.32,156.294 217.293,157.267 217.293,157.275 217.616,157.598 222.757,157.598 224.061,156.294 LED109_IR850_10.1@224.061,155.744
NetLED109_IR850_11_1: LED109_IR850_11.1 LED110_IR850_11.2 | length 8.8
  Top Layer w0.2: LED110_IR850_11.2@216.32,176.676 217.65,175.346 222.731,175.346 LED109_IR850_11.1@224.061,176.676
NetLED109_IR850_12_1: LED109_IR850_12.1 LED110_IR850_12.2 | length 9.4
  Top Layer w0.2: LED110_IR850_12.2@216.32,199.258 217.293,200.231 217.293,200.239 217.616,200.562 222.757,200.562 224.061,199.258 LED109_IR850_12.1@224.061,198.708
NetLED109_IR850_13_1: LED109_IR850_13.1 LED110_IR850_13.2 | length 9.9
  Top Layer w0.2: LED110_IR850_13.2@216.32,220.19 216.32,219.64 217.617,218.343 222.764,218.343 224.061,219.64 LED109_IR850_13.1@224.061,220.19
NetLED109_IR850_14_1: LED109_IR850_14.1 LED110_IR850_14.2 | length 9.4
  Top Layer w0.2: LED110_IR850_14.2@216.32,242.222 217.293,243.195 217.293,243.203 217.616,243.526 222.757,243.526 224.061,242.222 LED109_IR850_14.1@224.061,241.672
NetLED109_IR850_15_1: LED109_IR850_15.1 LED110_IR850_15.2 | length 8.8
  Top Layer w0.2: LED110_IR850_15.2@216.32,262.604 217.624,261.3 222.757,261.3 LED109_IR850_15.1@224.061,262.604
NetLED109_IR850_20_1: LED109_IR850_20.1 LED110_IR850_20.2 | length 8.8
  Top Layer w0.2: LED110_IR850_20.2@216.32,26.302 217.624,24.998 222.757,24.998 LED109_IR850_20.1@224.061,26.302